# Allegro board 8880F5-0827_txbegin.brd (continued)
## Placement (name value [footprint] x y rotation side) (continued)
NOREF#630  -  []  167.7 163.2 90 top
NOREF#631  -  []  459.24 219.3 0 top
NOREF#632  -  []  351.04 249.82 0 top
NOREF#633  -  []  209.59 160.9 90 top
NOREF#634  -  []  418.12 273.37 0 top
NOREF#635  -  []  376.98 257.11 0 top
NOREF#636  -  []  410.27 257.37 0 top
NOREF#637  -  []  331.94 265.86 90 top
NOREF#638  -  []  319.15 296.86 0 top
NOREF#639  -  []  395.2 297.12 0 top
NOREF#640  -  []  333.72 205.86 90 top
NOREF#641  -  []  210.86 242.18 90 top
NOREF#642  -  []  175.7 259.8 90 top
NOREF#643  -  []  339.33 265.56 90 top
NOREF#644  -  []  167.7 151.68 90 top
NOREF#645  -  []  420.37 255.47 90 top
NOREF#646  -  []  343.31 224.72 0 top
NOREF#647  -  []  410.52 289.12 0 top
NOREF#648  -  []  254.61 205.86 90 top
NOREF#649  -  []  329.6 163.52 90 top
NOREF#650  -  []  396.28 146.93 90 top
NOREF#651  -  []  409.17 249.11 0 top
NOREF#652  -  []  256.45 164.72 0 top
NOREF#653  -  []  254.29 265.55 0 top
NOREF#654  -  []  396.55 273.11 0 top
NOREF#655  -  []  225.83 264.31 0 top
NOREF#656  -  []  392.24 199.18 90 top
NOREF#657  -  []  182.57 212.85 0 top
NOREF#658  -  []  124.61 178.64 0 top
NOREF#659  -  []  192.47 177.76 90 top
NOREF#660  -  []  248 286.96 0 top
NOREF#661  -  []  106.11 234.24 0 top
NOREF#662  -  []  106.76 217.73 90 top
NOREF#663  -  []  177.33 242.18 90 top
NOREF#664  -  []  175.7 243.88 90 top
NOREF#665  -  []  408.02 287.22 0 top
NOREF#666  -  []  379 288.57 90 top
NOREF#667  -  []  221.56 182.89 0 top
NOREF#668  -  []  470.71 227 90 top
NOREF#669  -  []  199.59 230.19 90 top
NOREF#670  -  []  303.15 211.32 90 top
NOREF#671  -  []  177.33 228.47 90 top
NOREF#672  -  []  167.7 241.43 0 top
NOREF#673  -  []  393.19 239.21 90 top
NOREF#674  -  []  310.43 188.88 90 top
NOREF#675  -  []  296.96 240.71 0 top
NOREF#676  -  []  251.86 192.43 90 top
NOREF#677  -  []  329.85 164.74 0 top
NOREF#678  -  []  304.65 271.67 0 top
NOREF#679  -  []  390.53 154.88 0 top
NOREF#680  -  []  194.09 255.9 90 top
NOREF#681  -  []  337.09 164.74 90 top
NOREF#682  -  []  467.51 230.2 0 top
NOREF#683  -  []  409.43 139.89 0 top
NOREF#684  -  []  184.47 151.68 90 top
NOREF#685  -  []  229.51 253.69 0 top
NOREF#686  -  []  118.96 179.19 0 top
NOREF#687  -  []  271.34 245.18 0 top
NOREF#688  -  []  463.61 214.96 0 top
NOREF#689  -  []  412.62 297.12 0 top
NOREF#690  -  []  334.81 296.86 0 top
NOREF#691  -  []  411.09 146.88 90 top
NOREF#692  -  []  272.24 189.18 90 top
NOREF#693  -  []  184.47 244.98 90 top
NOREF#694  -  []  230.43 246.34 90 top
NOREF#695  -  []  293.66 272.15 90 top
NOREF#696  -  []  387.08 171.64 0 top
NOREF#697  -  []  390.34 192.28 90 top
NOREF#698  -  []  398.53 144.98 90 top
NOREF#699  -  []  378.33 217.11 0 top
NOREF#700  -  []  257.09 223.52 90 top
NOREF#701  -  []  352.24 249.18 90 top
NOREF#702  -  []  192.47 259.8 90 top
NOREF#703  -  []  475.04 239.09 0 top
NOREF#704  -  []  310.43 186.34 0 top
NOREF#705  -  []  93.76 273.87 90 top
NOREF#706  -  []  332.51 264.35 90 top
NOREF#707  -  []  108.01 222.33 0 top
NOREF#708  -  []  251.38 224.74 90 top
NOREF#709  -  []  192.57 201.79 90 top
NOREF#710  -  []  177.33 214.75 90 top
NOREF#711  -  []  251.94 264.65 90 top
NOREF#712  -  []  392.47 224.3 90 top
NOREF#713  -  []  215.96 237.06 0 top
NOREF#714  -  []  252.51 205.56 0 top
NOREF#715  -  []  257.09 164.74 90 top
NOREF#716  -  []  118.45 231.77 0 top
NOREF#717  -  []  406.19 171.64 0 top
NOREF#718  -  []  230.43 254.01 0 top
NOREF#719  -  []  253.4 265.55 0 top
NOREF#720  -  []  373.73 207.21 0 top
NOREF#721  -  []  229.21 247.61 0 top
NOREF#722  -  []  262.68 164.74 90 top
NOREF#723  -  []  399.07 208.81 90 top
NOREF#724  -  []  167.7 227.72 0 top
NOREF#725  -  []  272.24 249.18 90 top
NOREF#726  -  []  262.04 224.74 0 top
NOREF#727  -  []  419.73 131.89 90 top
NOREF#728  -  []  395.2 233.11 0 top
NOREF#729  -  []  368.03 249.11 0 top
NOREF#730  -  []  397.8 179.7 90 top
NOREF#731  -  []  331.94 205.86 90 top
NOREF#732  -  []  93.76 287.84 90 top
NOREF#733  -  []  182.57 158.5 0 top
NOREF#734  -  []  390.69 241.11 0 top
NOREF#735  -  []  408.88 133.16 90 top
NOREF#736  -  []  319.33 243.63 90 top
NOREF#737  -  []  327.25 204.35 90 top
NOREF#738  -  []  165.8 185.42 0 top
NOREF#739  -  []  384.17 163.39 90 top
NOREF#740  -  []  408.37 258.64 90 top
NOREF#741  -  []  453.88 239.34 0 top
NOREF#742  -  []  411.26 209.66 90 top
NOREF#743  -  []  284.36 280.1 0 top
NOREF#744  -  []  250.74 224.74 0 top
NOREF#745  -  []  381.2 290.39 90 top
NOREF#746  -  []  462.06 291.28 90 top
NOREF#747  -  []  397.38 146.88 90 top
NOREF#748  -  []  410.52 273.37 0 top
NOREF#749  -  []  390.53 180.15 0 top
NOREF#750  -  []  253.53 140.14 0 top
NOREF#751  -  []  222.11 252.14 0 top
NOREF#752  -  []  201.49 163.2 90 top
NOREF#753  -  []  449.99 174.46 0 top
NOREF#754  -  []  192.47 182.06 90 top
NOREF#755  -  []  166.06 230.19 90 top
NOREF#756  -  []  317.98 163.82 90 top
NOREF#757  -  []  315.7 296.86 0 top
NOREF#758  -  []  175.7 137.37 90 top
NOREF#759  -  []  405.93 256.92 90 top
NOREF#760  -  []  338.2 246.67 0 top
NOREF#761  -  []  118.33 286.94 90 top
NOREF#762  -  []  310.73 193.69 0 top
NOREF#763  -  []  352.24 184.86 90 top
NOREF#764  -  []  127.99 214.79 0 top
NOREF#765  -  []  342.68 163.52 90 top
NOREF#766  -  []  127.55 191.95 90 top
NOREF#767  -  []  261.63 195.43 90 top
NOREF#768  -  []  478.57 257.36 90 top
NOREF#769  -  []  272.55 185.18 0 top
NOREF#770  -  []  199.33 257.62 90 top
NOREF#771  -  []  392.73 154.88 0 top
NOREF#772  -  []  511.59 293.82 90 top
NOREF#773  -  []  424.98 146.43 90 top
NOREF#774  -  []  396.55 289.12 0 top
NOREF#775  -  []  283.21 282 0 top
NOREF#776  -  []  384.59 179.6 90 top
NOREF#777  -  []  271.34 241.37 0 top
NOREF#778  -  []  310.43 248.88 90 top
NOREF#779  -  []  263.71 288.86 0 top
NOREF#780  -  []  343.98 288.86 0 top
NOREF#781  -  []  392.66 192.88 90 top
NOREF#782  -  []  263.95 163.52 90 top
NOREF#783  -  []  317.66 164.72 0 top
NOREF#784  -  []  394.05 287.22 0 top
NOREF#785  -  []  413.71 148.15 90 top
NOREF#786  -  []  331.38 164.74 90 top
NOREF#787  -  []  471.21 168.33 90 top
NOREF#788  -  []  229.05 271.67 0 top
NOREF#789  -  []  199.33 199.39 90 top
NOREF#790  -  []  328.33 247.93 0 top
NOREF#791  -  []  351.34 182.64 0 top
NOREF#792  -  []  121.9 231.22 0 top
NOREF#793  -  []  339.65 264.65 90 top
NOREF#794  -  []  352.93 288.86 90 top
NOREF#795  -  []  247.25 204.35 90 top
NOREF#796  -  []  459.28 236.14 90 top
NOREF#797  -  []  229.21 183.09 0 top
NOREF#798  -  []  381.2 274.38 90 top
NOREF#799  -  []  318.3 163.52 90 top
NOREF#800  -  []  351.04 244.23 0 top
NOREF#801  -  []  165.8 131.57 0 top
NOREF#802  -  []  184.47 165.4 90 top
NOREF#803  -  []  166.06 203.01 90 top
NOREF#804  -  []  411.26 179.6 90 top
NOREF#805  -  []  375.22 163.39 0 top
NOREF#806  -  []  167.7 132.72 0 top
NOREF#807  -  []  310.83 224.63 0 top
NOREF#808  -  []  302.11 180.71 0 top
NOREF#809  -  []  177.33 187.32 90 top
NOREF#810  -  []  377.23 289.12 0 top
NOREF#811  -  []  339.89 288.41 90 top
NOREF#812  -  []  201.23 247.18 90 top
NOREF#813  -  []  230.73 187.93 0 top
NOREF#814  -  []  283.25 147.43 90 top
NOREF#815  -  []  266.49 143.19 0 top
NOREF#816  -  []  194.09 242.18 90 top
NOREF#817  -  []  403.99 163.64 0 top
NOREF#818  -  []  451.68 239.34 0 top
NOREF#819  -  []  412.88 139.89 0 top
NOREF#820  -  []  472.86 166.93 90 top
NOREF#821  -  []  451.68 171.53 0 top
NOREF#822  -  []  107.02 171.57 0 top
NOREF#823  -  []  192.57 160.9 90 top
NOREF#824  -  []  259.33 205.55 0 top
NOREF#825  -  []  322.23 173.13 0 top
NOREF#826  -  []  248.33 187.93 0 top
NOREF#827  -  []  251.22 253.63 0 top
NOREF#828  -  []  221.56 171.46 0 top
NOREF#829  -  []  290.11 280.1 0 top
NOREF#830  -  []  263.14 282 0 top
NOREF#831  -  []  199.59 216.47 90 top
NOREF#832  -  []  115.87 175.44 90 top
NOREF#833  -  []  318.45 197.01 0 top
NOREF#834  -  []  263.63 165.04 90 top
NOREF#835  -  []  201.66 213.45 90 top
NOREF#836  -  []  410.84 180.15 90 top
NOREF#837  -  []  381.2 258.38 90 top
NOREF#838  -  []  461.96 166.93 0 top
NOREF#839  -  []  495.08 259.9 90 top
NOREF#840  -  []  451.68 195.91 0 top
NOREF#841  -  []  192.47 246.08 90 top
NOREF#842  -  []  371.48 241.11 0 top
NOREF#843  -  []  184.47 159.65 0 top
NOREF#844  -  []  267.84 280.1 0 top
NOREF#845  -  []  167.7 136.27 90 top
NOREF#846  -  []  413.51 207.71 90 top
NOREF#847  -  []  481.96 273.87 90 top
NOREF#848  -  []  459.28 227 0 top
NOREF#849  -  []  385.32 178.25 90 top
NOREF#850  -  []  273.09 288.31 90 top
NOREF#851  -  []  317.83 257.63 0 top
NOREF#852  -  []  101.82 290.38 90 top
NOREF#853  -  []  397.38 163.64 90 top
NOREF#854  -  []  373.87 171.39 0 top
NOREF#855  -  []  182.57 240.28 0 top
NOREF#856  -  []  367.73 290.39 90 top
NOREF#857  -  []  333.4 265.56 90 top
NOREF#858  -  []  184.47 186.57 90 top
NOREF#859  -  []  305.83 204.31 0 top
NOREF#860  -  []  453.88 230.2 0 top
NOREF#861  -  []  367.13 271.21 0 top
NOREF#862  -  []  167.7 186.57 0 top
NOREF#863  -  []  405.93 272.56 90 top
NOREF#864  -  []  367.73 274.38 90 top
NOREF#865  -  []  371.48 257.11 0 top
NOREF#866  -  []  404.4 257.42 90 top
NOREF#867  -  []  371.48 249.11 0 top
NOREF#868  -  []  201.23 200.54 90 top
NOREF#869  -  []  192.47 175.56 90 top
NOREF#870  -  []  396.28 180.2 90 top
NOREF#871  -  []  253.72 264.65 90 top
NOREF#872  -  []  334.29 265.55 0 top
NOREF#873  -  []  119.95 187.53 0 top
NOREF#874  -  []  272.25 242.32 90 top
NOREF#875  -  []  405.93 240.56 90 top
NOREF#876  -  []  265.39 135.19 0 top
NOREF#877  -  []  340.83 234.63 90 top
NOREF#878  -  []  155.57 289.11 90 top
NOREF#879  -  []  331.22 193.63 0 top
NOREF#880  -  []  396.55 225.11 0 top
NOREF#881  -  []  352.24 183.59 90 top
NOREF#882  -  []  247.57 204.65 90 top
NOREF#883  -  []  251.62 204.35 90 top
NOREF#884  -  []  175.7 205.19 90 top
NOREF#885  -  []  175.8 174.36 90 top
NOREF#886  -  []  354.37 130.67 90 top
NOREF#887  -  []  175.7 189.02 90 top
NOREF#888  -  []  192.57 174.36 90 top
NOREF#889  -  []  251.62 205.56 90 top
NOREF#890  -  []  392.47 272.66 90 top
NOREF#891  -  []  330.51 288.86 0 top
NOREF#892  -  []  309.05 271.67 0 top
NOREF#893  -  []  217.41 273.24 0 top
NOREF#894  -  []  317.57 209.63 90 top
NOREF#895  -  []  343.98 288.86 0 top
NOREF#896  -  []  385.19 281.11 0 top
NOREF#897  -  []  310.41 187.61 90 top
NOREF#898  -  []  175.7 264.1 90 top
NOREF#899  -  []  471.21 211.76 90 top
NOREF#900  -  []  209.23 195.52 90 top
NOREF#901  -  []  184.47 260.9 90 top
NOREF#902  -  []  167.7 219.75 90 top
NOREF#903  -  []  303.56 173.86 90 top
NOREF#904  -  []  528.1 276.41 90 top
NOREF#905  -  []  463.61 179.15 0 top
NOREF#906  -  []  251.22 193.63 0 top
NOREF#907  -  []  301.56 250.49 0 top
NOREF#908  -  []  192.47 148.38 90 top
NOREF#909  -  []  423.61 182.42 90 top
NOREF#910  -  []  229.21 243.09 0 top
NOREF#911  -  []  200.98 260.9 90 top
NOREF#912  -  []  322.23 233.13 90 top
NOREF#913  -  []  450.03 182.17 0 top
NOREF#914  -  []  230.43 189.52 0 top
NOREF#915  -  []  229.51 193.69 0 top
NOREF#916  -  []  310.73 246.66 0 top
NOREF#917  -  []  460.93 234.74 90 top
NOREF#918  -  []  229.51 187.93 0 top
NOREF#919  -  []  419.9 288.57 90 top
NOREF#920  -  []  66.26 287.84 90 top
NOREF#921  -  []  310.43 243.09 90 top
NOREF#922  -  []  311.15 159.63 90 top
NOREF#923  -  []  118.74 215.34 0 top
NOREF#924  -  []  351.58 288.86 0 top
NOREF#925  -  []  390.94 257.16 90 top
NOREF#926  -  []  400.54 171.64 0 top
NOREF#927  -  []  377.48 289.17 90 top
NOREF#928  -  []  122.41 178.64 0 top
NOREF#929  -  []  381.74 232.85 0 top
NOREF#930  -  []  450.03 182.17 0 top
NOREF#931  -  []  405.93 240.66 90 top
NOREF#932  -  []  301.95 290.13 90 top
NOREF#933  -  []  293.31 272.1 0 top
NOREF#934  -  []  383.07 180.2 90 top
NOREF#935  -  []  240.94 151.63 90 top
NOREF#936  -  []  353.35 288.41 90 top
NOREF#937  -  []  107.02 166.42 90 top
NOREF#938  -  []  318.3 164.74 90 top
NOREF#939  -  []  201.23 217.55 90 top
NOREF#940  -  []  332.83 264.65 90 top
NOREF#941  -  []  192.47 162.1 90 top
NOREF#942  -  []  383.09 273.11 0 top
NOREF#943  -  []  387.39 232.85 0 top
NOREF#944  -  []  230.41 246.34 90 top
NOREF#945  -  []  279.7 155.38 0 top
NOREF#946  -  []  348.28 296.86 0 top
NOREF#947  -  []  376.23 209.11 0 top
NOREF#948  -  []  390.69 224.85 0 top
NOREF#949  -  []  316.43 132.91 90 top
NOREF#950  -  []  209.23 243.88 90 top
NOREF#951  -  []  259.65 204.65 90 top
NOREF#952  -  []  298.16 248.49 0 top
NOREF#953  -  []  242.23 233.13 90 top
NOREF#954  -  []  230.41 248.88 90 top
NOREF#955  -  []  374.08 195.9 90 top
NOREF#956  -  []  310.73 186.66 0 top
NOREF#957  -  []  222.11 192.14 0 top
NOREF#958  -  []  388.43 163.64 0 top
NOREF#959  -  []  254.29 204.35 90 top
NOREF#960  -  []  312.46 131.69 90 top
NOREF#961  -  []  451.68 186.77 0 top
NOREF#962  -  []  262.68 224.74 90 top
NOREF#963  -  []  412.62 281.37 0 top
NOREF#964  -  []  450.03 166.93 0 top
NOREF#965  -  []  270.04 280.1 0 top
NOREF#966  -  []  473.79 234.49 90 top
NOREF#967  -  []  167.7 138.47 90 top
NOREF#968  -  []  319.33 236.03 90 top
NOREF#969  -  []  404.15 241.11 0 top
NOREF#970  -  []  209.49 150.83 90 top
NOREF#971  -  []  451.64 222.5 0 top
NOREF#972  -  []  305.94 288.86 0 top
NOREF#973  -  []  295.96 248.49 0 top
NOREF#974  -  []  381.74 297.12 0 top
NOREF#975  -  []  460.89 217.9 90 top
NOREF#976  -  []  256.45 164.74 0 top
NOREF#977  -  []  201.49 149.73 90 top
NOREF#978  -  []  385.93 178.25 0 top
NOREF#979  -  []  343.95 224.74 90 top
NOREF#980  -  []  395.07 129.99 0 top
NOREF#981  -  []  257.9 186.35 90 top
NOREF#982  -  []  209.23 218.65 90 top
NOREF#983  -  []  390.59 195.9 90 top
NOREF#984  -  []  330.18 242.88 0 top
NOREF#985  -  []  108.01 214.71 0 top
NOREF#986  -  []  403.41 209.61 0 top
NOREF#987  -  []  175.8 187.82 90 top
NOREF#988  -  []  411.99 161.74 90 top
NOREF#989  -  []  201.23 233.47 90 top
NOREF#990  -  []  395.67 133.16 90 top
NOREF#991  -  []  226.83 209.63 90 top
NOREF#992  -  []  223.56 185.29 90 top
NOREF#993  -  []  254.29 205.55 0 top
NOREF#994  -  []  450.03 210.36 0 top
NOREF#995  -  []  234.33 228.13 90 top
NOREF#996  -  []  393.74 131.44 90 top
NOREF#997  -  []  459.28 211.76 90 top
NOREF#998  -  []  387.8 210.63 90 top
NOREF#999  -  []  201.66 186.02 90 top
NOREF#1000  -  []  200.98 255.15 0 top
NOREF#1001  -  []  394.05 223.21 0 top
NOREF#1002  -  []  271.34 182.64 0 top
NOREF#1003  -  []  124.64 171.1 0 top
NOREF#1004  -  []  184.89 199.99 90 top
NOREF#1005  -  []  400.85 265.37 0 top
NOREF#1006  -  []  301.56 231.46 0 top
NOREF#1007  -  []  312.42 146.05 0 top
NOREF#1008  -  []  209.33 187.82 90 top
NOREF#1009  -  []  379.48 255.21 90 top
NOREF#1010  -  []  379.01 272.66 90 top
NOREF#1011  -  []  230.43 253.37 0 top
NOREF#1012  -  []  250.74 164.72 0 top
NOREF#1013  -  []  310.43 189.52 0 top
NOREF#1014  -  []  327.27 131.64 90 top
NOREF#1015  -  []  331.62 205.56 0 top
NOREF#1016  -  []  339.46 288.86 90 top
NOREF#1017  -  []  352.25 181.69 0 top
NOREF#1018  -  []  166.06 257.62 90 top
NOREF#1019  -  []  127.84 167.9 90 top
NOREF#1020  -  []  309.21 188.88 0 top
NOREF#1021  -  []  333.72 264.65 90 top
NOREF#1022  -  []  463.61 214.96 0 top
NOREF#1023  -  []  250.74 164.74 0 top
NOREF#1024  -  []  262.04 164.74 0 top
NOREF#1025  -  []  328.96 164.72 0 top
NOREF#1026  -  []  377.32 180.15 0 top
NOREF#1027  -  []  373.93 281.11 0 top
NOREF#1028  -  []  310.43 246.34 90 top
NOREF#1029  -  []  385.36 194.18 90 top
NOREF#1030  -  []  271.04 245.5 0 top
NOREF#1031  -  []  518.38 276.41 90 top
NOREF#1032  -  []  415.1 163.64 0 top
NOREF#1033  -  []  249.28 225.04 90 top
NOREF#1034  -  []  199.08 254 90 top
NOREF#1035  -  []  295.96 177.06 0 top
NOREF#1036  -  []  184.47 227.72 90 top
NOREF#1037  -  []  342.08 290.13 90 top
NOREF#1038  -  []  256.77 223.82 90 top
NOREF#1039  -  []  333.33 241.33 90 top
NOREF#1040  -  []  252.83 205.86 90 top
NOREF#1041  -  []  115.61 191.95 0 top
NOREF#1042  -  []  175.7 222.95 90 top
NOREF#1043  -  []  259.33 205.55 0 top
NOREF#1044  -  []  209.33 242.68 90 top
NOREF#1045  -  []  309.12 154.05 0 top
NOREF#1046  -  []  448.94 276.41 90 top
NOREF#1047  -  []  240.5 288.61 0 top
NOREF#1048  -  []  352.25 183.59 90 top
NOREF#1049  -  []  470.79 128.27 0 top
NOREF#1050  -  []  229.21 187.61 0 top
NOREF#1051  -  []  322.23 233.13 0 top
NOREF#1052  -  []  237.66 224.74 0 top
NOREF#1053  -  []  392.24 193.43 90 top
NOREF#1054  -  []  230.43 194.01 0 top
NOREF#1055  -  []  387.39 281.11 0 top
NOREF#1056  -  []  344.37 128.27 0 top
NOREF#1057  -  []  182.57 254 90 top
NOREF#1058  -  []  115.36 235.64 90 top
NOREF#1059  -  []  333.4 205.56 90 top
NOREF#1060  -  []  272.24 182.32 90 top
NOREF#1061  -  []  230.73 253.69 0 top
NOREF#1062  -  []  248.96 164.74 0 top
NOREF#1063  -  []  397.8 179.6 90 top
NOREF#1064  -  []  461.86 182.17 90 top
NOREF#1065  -  []  259.33 265.56 90 top
NOREF#1066  -  []  298.24 288.86 0 top
NOREF#1067  -  []  175.8 256.4 90 top
NOREF#1068  -  []  346.08 288.86 0 top
NOREF#1069  -  []  394.05 255.47 0 top
NOREF#1070  -  []  229.21 248.88 0 top
NOREF#1071  -  []  118.74 210.19 90 top
NOREF#1072  -  []  331.62 265.56 0 top
NOREF#1073  -  []  310.73 193.69 0 top
NOREF#1074  -  []  107.02 171.57 0 top
NOREF#1075  -  []  310.43 253.37 90 top
NOREF#1076  -  []  122.19 214.79 0 top
NOREF#1077  -  []  333.72 265.86 90 top
NOREF#1078  -  []  407.67 129.99 90 top
NOREF#1079  -  []  168.13 254.6 90 top
NOREF#1080  -  []  237.66 164.74 0 top
NOREF#1081  -  []  352.24 241.05 90 top
NOREF#1082  -  []  251.94 265.86 90 top
NOREF#1083  -  []  404.24 146.88 0 top
NOREF#1084  -  []  395.2 249.11 0 top
NOREF#1085  -  []  303.56 233.86 90 top
NOREF#1086  -  []  274.37 147.93 90 top
NOREF#1087  -  []  397.8 163.09 90 top
NOREF#1088  -  []  419.9 240.56 90 top
NOREF#1089  -  []  184.47 178.86 90 top
NOREF#1090  -  []  252.83 204.65 90 top
NOREF#1091  -  []  388.43 163.64 0 top
NOREF#1092  -  []  259.33 205.56 0 top
NOREF#1093  -  []  471.21 219.38 0 top
NOREF#1094  -  []  390.94 289.17 90 top
NOREF#1095  -  []  271.56 288.91 90 top
NOREF#1096  -  []  351.34 249.5 0 top
NOREF#1097  -  []  230.43 248.88 0 top
NOREF#1098  -  []  382.82 163.39 0 top
NOREF#1099  -  []  310.43 254.01 0 top
NOREF#1100  -  []  258.2 186.67 0 top
NOREF#1101  -  []  318.32 131.64 0 top
NOREF#1102  -  []  332.83 205.86 90 top
NOREF#1103  -  []  124.39 214.79 0 top
NOREF#1104  -  []  221.87 295.91 0 top
NOREF#1105  -  []  84.04 287.84 90 top
NOREF#1106  -  []  471.21 219.38 90 top
NOREF#1107  -  []  295.96 188.49 0 top
NOREF#1108  -  []  419.22 257.37 90 top
NOREF#1109  -  []  224.65 271.67 0 top
NOREF#1110  -  []  413.71 178.82 90 top
NOREF#1111  -  []  310.43 187.61 90 top
NOREF#1112  -  []  251.94 205.86 90 top
NOREF#1113  -  []  309.05 211.67 0 top
NOREF#1114  -  []  346.27 130.77 90 top
NOREF#1115  -  []  306.27 156.63 90 top
NOREF#1116  -  []  192.57 256.4 90 top
NOREF#1117  -  []  167.7 178.86 90 top
NOREF#1118  -  []  201.49 159.65 90 top
NOREF#1119  -  []  310.43 243.09 0 top
NOREF#1120  -  []  407.77 255.47 0 top
NOREF#1121  -  []  387.08 188.15 0 top
NOREF#1122  -  []  406.65 223.21 90 top
NOREF#1123  -  []  209.23 230.17 90 top
NOREF#1124  -  []  167.7 159.65 0 top
NOREF#1125  -  []  201.23 206.29 90 top
NOREF#1126  -  []  120.24 171.1 0 top
NOREF#1127  -  []  377.32 163.39 0 top
NOREF#1128  -  []  201.23 242.78 90 top
NOREF#1129  -  []  304.82 146.05 0 top
NOREF#1130  -  []  319.15 288.86 0 top
NOREF#1131  -  []  235.85 296.61 0 top
NOREF#1132  -  []  234.7 298.51 0 top
NOREF#1133  -  []  371.73 297.12 0 top
NOREF#1134  -  []  192.57 215.25 90 top
NOREF#1135  -  []  250.5 288.86 0 top
NOREF#1136  -  []  402.06 217.61 0 top
NOREF#1137  -  []  201.23 206.29 90 top
NOREF#1138  -  []  410.52 289.12 0 top
NOREF#1139  -  []  485.36 259.9 90 top
NOREF#1140  -  []  318.32 131.64 0 top
NOREF#1141  -  []  177.33 160.4 90 top
NOREF#1142  -  []  165.8 185.42 90 top
NOREF#1143  -  []  167.7 206.29 90 top
NOREF#1144  -  []  371.73 281.11 0 top
NOREF#1145  -  []  295.96 237.06 0 top
NOREF#1146  -  []  182.57 240.28 90 top
NOREF#1147  -  []  385.19 265.11 0 top
NOREF#1148  -  []  166.06 189.04 90 top
NOREF#1149  -  []  166.06 216.47 90 top
NOREF#1150  -  []  331.05 205.86 90 top
NOREF#1151  -  []  453.84 222.5 0 top
NOREF#1152  -  []  250.17 163.82 90 top
NOREF#1153  -  []  201.23 233.47 90 top
NOREF#1154  -  []  262.04 224.72 0 top
NOREF#1155  -  []  389.7 209.36 0 top
NOREF#1156  -  []  482.64 235.89 90 top
NOREF#1157  -  []  451.64 179.06 0 top
NOREF#1158  -  []  330.17 223.82 90 top
NOREF#1159  -  []  220.36 177.06 0 top
NOREF#1160  -  []  453.88 171.53 0 top
NOREF#1161  -  []  201.49 151.93 90 top
NOREF#1162  -  []  262.36 163.82 90 top
NOREF#1163  -  []  332.83 204.65 90 top
NOREF#1164  -  []  459.28 211.76 0 top
NOREF#1165  -  []  83.77 247.51 90 top
NOREF#1166  -  []  384.36 131.89 0 top
NOREF#1167  -  []  320.94 211.63 90 top
NOREF#1168  -  []  460.89 174.46 90 top
NOREF#1169  -  []  272.55 243.91 0 top
NOREF#1170  -  []  459.28 168.33 0 top
NOREF#1171  -  []  473.7 219.66 90 top
NOREF#1172  -  []  286.81 272.1 0 top
NOREF#1173  -  []  192.47 205.19 90 top
NOREF#1174  -  []  328.96 164.74 0 top
NOREF#1175  -  []  115.61 219.13 90 top
NOREF#1176  -  []  317.66 224.74 0 top
NOREF#1177  -  []  473.6 162.62 90 top
NOREF#1178  -  []  331.38 163.52 90 top
NOREF#1179  -  []  331.62 205.55 0 top
NOREF#1180  -  []  333.4 204.35 90 top
NOREF#1181  -  []  175.7 195.52 90 top
NOREF#1182  -  []  259.65 204.65 90 top
NOREF#1183  -  []  230.73 186.66 0 top
NOREF#1184  -  []  297.71 276.09 0 top
NOREF#1185  -  []  201.23 244.98 90 top
NOREF#1186  -  []  167.7 145.93 90 top
NOREF#1187  -  []  450.03 234.74 0 top
NOREF#1188  -  []  288.14 286.96 0 top
NOREF#1189  -  []  101.82 273.87 90 top
NOREF#1190  -  []  306.85 271.67 0 top
NOREF#1191  -  []  352.55 245.18 0 top
NOREF#1192  -  []  223.56 245.29 90 top
NOREF#1193  -  []  383.73 202.38 90 top
NOREF#1194  -  []  199.59 203.01 90 top
NOREF#1195  -  []  184.47 241.43 0 top
NOREF#1196  -  []  124.35 222.33 0 top
NOREF#1197  -  []  216.96 252.14 0 top
NOREF#1198  -  []  107.02 179.19 0 top
NOREF#1199  -  []  478.57 291.28 90 top
NOREF#1200  -  []  369.38 224.6 0 top
NOREF#1201  -  []  259.59 133.29 90 top
NOREF#1202  -  []  330.17 163.82 90 top
NOREF#1203  -  []  424.05 163.64 90 top
NOREF#1204  -  []  518.38 290.38 90 top
NOREF#1205  -  []  392.47 288.57 90 top
NOREF#1206  -  []  511.59 259.9 90 top
NOREF#1207  -  []  385.19 297.12 0 top
NOREF#1208  -  []  405.93 288.67 90 top
NOREF#1209  -  []  297.41 213.24 0 top
NOREF#1210  -  []  310.41 188.88 90 top
NOREF#1211  -  []  127.7 231.22 0 top
NOREF#1212  -  []  229.21 253.37 0 top
NOREF#1213  -  []  320.42 131.64 0 top
NOREF#1214  -  []  406.65 255.47 90 top
NOREF#1215  -  []  386.53 164.91 90 top
NOREF#1216  -  []  192.47 150.58 90 top
NOREF#1217  -  []  75.98 271.33 90 top
NOREF#1218  -  []  384.36 131.89 0 top
NOREF#1219  -  []  309.21 186.34 0 top
NOREF#1220  -  []  392.47 256.66 90 top
NOREF#1221  -  []  473.7 176.22 90 top
NOREF#1222  -  []  284.79 272.65 90 top
NOREF#1223  -  []  117.01 234.24 90 top
NOREF#1224  -  []  167.7 247.18 90 top
NOREF#1225  -  []  351.04 185.5 0 top
NOREF#1226  -  []  216.96 180.71 0 top
NOREF#1227  -  []  260.29 136.46 90 top
NOREF#1228  -  []  230.43 243.09 90 top
NOREF#1229  -  []  383.09 241.11 0 top
NOREF#1230  -  []  351.04 242.96 0 top
NOREF#1231  -  []  256.73 132.14 0 top
NOREF#1232  -  []  339.33 205.56 0 top
NOREF#1233  -  []  257.09 163.52 90 top
NOREF#1234  -  []  343.31 164.72 0 top
NOREF#1235  -  []  390.53 188.15 0 top
NOREF#1236  -  []  298.13 274.06 90 top
NOREF#1237  -  []  327.57 264.65 90 top
NOREF#1238  -  []  352.55 243.91 0 top
NOREF#1239  -  []  424.98 146.33 90 top
NOREF#1240  -  []  230.73 183.41 0 top
NOREF#1241  -  []  167.7 173.11 0 top
NOREF#1242  -  []  210.6 255.9 90 top
NOREF#1243  -  []  308.14 296.86 0 top
NOREF#1244  -  []  223.15 271.32 90 top
NOREF#1245  -  []  352.25 245.5 0 top
NOREF#1246  -  []  175.7 246.08 90 top
NOREF#1247  -  []  378.33 224.6 90 top
NOREF#1248  -  []  309.21 187.61 0 top
NOREF#1249  -  []  385.19 241.11 0 top
NOREF#1250  -  []  420.15 131.44 90 top
NOREF#1251  -  []  201.66 240.88 90 top
NOREF#1252  -  []  310.73 183.41 0 top
NOREF#1253  -  []  218.16 248.49 0 top
NOREF#1254  -  []  354.27 138.37 90 top
NOREF#1255  -  []  400.91 207.71 0 top
NOREF#1256  -  []  373.68 265.11 0 top
NOREF#1257  -  []  378.33 241.11 90 top
NOREF#1258  -  []  184.47 145.93 0 top
NOREF#1259  -  []  378.58 273.11 90 top
NOREF#1260  -  []  393.19 255.21 90 top
NOREF#1261  -  []  405.5 273.11 90 top
NOREF#1262  -  []  330.51 288.86 0 top
NOREF#1263  -  []  283.21 270.2 90 top
NOREF#1264  -  []  259.33 205.56 90 top
NOREF#1265  -  []  182.82 189.04 90 top
NOREF#1266  -  []  115.61 191.95 90 top
NOREF#1267  -  []  108.01 214.71 0 top
NOREF#1268  -  []  343.2 172.26 90 top
NOREF#1269  -  []  182.82 216.47 90 top
NOREF#1270  -  []  326.23 233.13 0 top
NOREF#1271  -  []  373.68 249.11 0 top
NOREF#1272  -  []  218.13 274.06 0 top
NOREF#1273  -  []  327.89 204.35 90 top
NOREF#1274  -  []  247.57 205.86 90 top
NOREF#1275  -  []  302.11 192.14 0 top
NOREF#1276  -  []  272.24 242.32 90 top
NOREF#1277  -  []  306.27 216.63 90 top
NOREF#1278  -  []  343.31 164.74 0 top
NOREF#1279  -  []  239.33 236.03 0 top
NOREF#1280  -  []  471.21 211.76 0 top
NOREF#1281  -  []  310.73 249.2 0 top
NOREF#1282  -  []  419.9 272.92 90 top
NOREF#1283  -  []  259.97 264.35 90 top
NOREF#1284  -  []  351.34 243.91 0 top
NOREF#1285  -  []  115.87 167.82 90 top
NOREF#1286  -  []  391.8 209.36 0 top
NOREF#1287  -  []  342.36 225.04 90 top
NOREF#1288  -  []  459.28 183.57 90 top
NOREF#1289  -  []  113.08 129.54 0 top
NOREF#1290  -  []  309.51 183.41 0 top
NOREF#1291  -  []  333.4 265.55 0 top
NOREF#1292  -  []  327.57 265.86 90 top
NOREF#1293  -  []  184.47 231.27 90 top
NOREF#1294  -  []  209.49 164.3 90 top
NOREF#1295  -  []  230.83 224.63 0 top
NOREF#1296  -  []  317.66 224.72 0 top
NOREF#1297  -  []  406.95 131.44 90 top
NOREF#1298  -  []  271.04 189.82 0 top
NOREF#1299  -  []  400.79 154.88 0 top
NOREF#1300  -  []  201.23 192.32 90 top
NOREF#1301  -  []  378.75 224.05 90 top
NOREF#1302  -  []  383.09 289.12 0 top
NOREF#1303  -  []  451.68 195.91 0 top
NOREF#1304  -  []  456.08 171.53 0 top
NOREF#1305  -  []  201.49 173.11 0 top
NOREF#1306  -  []  399.64 144.98 0 top
NOREF#1307  -  []  329.85 224.74 0 top
NOREF#1308  -  []  259.88 288.31 90 top
NOREF#1309  -  []  460.93 182.17 90 top
NOREF#1310  -  []  297.83 234.63 90 top
NOREF#1311  -  []  405.5 289.12 90 top
NOREF#1312  -  []  226.85 211.67 0 top
NOREF#1313  -  []  330.17 225.04 90 top
NOREF#1314  -  []  390.34 192.28 0 top
NOREF#1315  -  []  286.55 288.41 90 top
NOREF#1316  -  []  241.6 296.61 0 top
NOREF#1317  -  []  96.33 238.84 0 top
NOREF#1318  -  []  379.48 239.21 90 top
NOREF#1319  -  []  167.7 165.4 90 top
NOREF#1320  -  []  398.65 209.36 90 top
NOREF#1321  -  []  327.25 205.56 0 top
NOREF#1322  -  []  302.11 129.74 0 top
NOREF#1323  -  []  201.49 146.18 0 top
NOREF#1324  -  []  342.36 165.04 90 top
NOREF#1325  -  []  381.74 249.11 0 top
NOREF#1326  -  []  322.62 139.64 0 top
NOREF#1327  -  []  397.38 180.15 90 top
NOREF#1328  -  []  322.23 173.13 90 top
NOREF#1329  -  []  290.64 288.86 0 top
NOREF#1330  -  []  309.21 183.09 0 top
NOREF#1331  -  []  388.35 217.36 0 top
NOREF#1332  -  []  392.04 224.85 90 top
NOREF#1333  -  []  237.98 225.04 90 top
NOREF#1334  -  []  405.93 224.56 90 top
NOREF#1335  -  []  252.43 132.14 0 top
NOREF#1336  -  []  397.57 131.89 0 top
NOREF#1337  -  []  314.33 168.13 90 top
NOREF#1338  -  []  209.59 147.43 90 top
NOREF#1339  -  []  100.98 195.15 0 top
NOREF#1340  -  []  409.74 180.2 90 top
NOREF#1341  -  []  477.24 239.09 0 top
NOREF#1342  -  []  201.21 290.01 90 top
NOREF#1343  -  []  223.56 233.86 90 top
NOREF#1344  -  []  201.23 214 0 top
NOREF#1345  -  []  98.78 195.15 0 top
NOREF#1346  -  []  103.93 235.64 0 top
NOREF#1347  -  []  118.7 195.7 0 top
NOREF#1348  -  []  375.22 180.15 0 top
NOREF#1349  -  []  298.16 237.06 0 top
NOREF#1350  -  []  414.57 265.37 0 top
NOREF#1351  -  []  392.47 224.4 90 top
NOREF#1352  -  []  414.82 297.12 0 top
NOREF#1353  -  []  398.65 225.11 0 top
NOREF#1354  -  []  115.99 130.36 90 top
NOREF#1355  -  []  216.96 192.14 0 top
NOREF#1356  -  []  351.04 241.69 0 top
NOREF#1357  -  []  412.79 209.06 90 top
NOREF#1358  -  []  300.74 286.96 90 top
NOREF#1359  -  []  306.85 211.67 0 top
NOREF#1360  -  []  379.52 188.15 0 top
NOREF#1361  -  []  310.73 249.2 0 top
NOREF#1362  -  []  290.64 288.86 0 top
NOREF#1363  -  []  453.84 179.06 0 top
NOREF#1364  -  []  108.27 171.02 0 top
NOREF#1365  -  []  317.05 288.86 0 top
NOREF#1366  -  []  313.22 288.41 90 top
NOREF#1367  -  []  116.27 178.64 0 top
NOREF#1368  -  []  398.65 297.12 0 top
NOREF#1369  -  []  468.85 257.36 90 top
NOREF#1370  -  []  352.25 242.32 90 top
NOREF#1371  -  []  175.7 168.6 90 top
NOREF#1372  -  []  215.96 177.06 0 top
NOREF#1373  -  []  465.45 276.41 90 top
NOREF#1374  -  []  282.9 147.38 0 top
NOREF#1375  -  []  221.56 190.49 0 top
NOREF#1376  -  []  312.25 271.67 90 top
NOREF#1377  -  []  271.04 242.96 0 top
NOREF#1378  -  []  380.59 255.21 0 top
NOREF#1379  -  []  352.25 184.23 0 top
NOREF#1380  -  []  401.89 180.15 0 top
NOREF#1381  -  []  279.27 296.86 0 top
NOREF#1382  -  []  93.76 290.38 90 top
NOREF#1383  -  []  478.57 274.77 90 top
NOREF#1384  -  []  301.56 190.49 0 top
NOREF#1385  -  []  461.96 217.98 0 top
NOREF#1386  -  []  396.55 241.11 0 top
NOREF#1387  -  []  201.49 165.4 90 top
NOREF#1388  -  []  222.67 298 90 top
NOREF#1389  -  []  382.82 180.15 0 top
NOREF#1390  -  []  248.61 290.13 90 top
NOREF#1391  -  []  127.7 238.84 0 top
NOREF#1392  -  []  318.3 224.74 90 top
NOREF#1393  -  []  309.51 193.69 0 top
NOREF#1394  -  []  404.4 225.16 90 top
NOREF#1395  -  []  339.33 265.55 0 top
NOREF#1396  -  []  182.57 144.78 0 top
NOREF#1397  -  []  118.7 217.73 90 top
NOREF#1398  -  []  319.33 236.03 0 top
NOREF#1399  -  []  106.03 217.88 90 top
NOREF#1400  -  []  221.56 179.06 0 top
NOREF#1401  -  []  463.61 171.53 0 top
NOREF#1402  -  []  242.23 233.13 0 top
NOREF#1403  -  []  172.08 272.6 90 top
NOREF#1404  -  []  239.33 243.63 90 top
NOREF#1405  -  []  313.22 288.31 90 top
NOREF#1406  -  []  167.7 176.66 90 top
NOREF#1407  -  []  391.8 217.36 0 top
NOREF#1408  -  []  465.81 222.58 0 top
NOREF#1409  -  []  340.61 286.96 90 top
NOREF#1410  -  []  327.57 264.65 90 top
NOREF#1411  -  []  167.7 149.48 90 top
NOREF#1412  -  []  408.28 129.99 0 top
NOREF#1413  -  []  314.71 129.74 90 top
NOREF#1414  -  []  304.61 131.64 0 top
NOREF#1415  -  []  463.11 230.2 0 top
NOREF#1416  -  []  184.47 242.78 90 top
NOREF#1417  -  []  263.14 270.2 90 top
NOREF#1418  -  []  485.36 257.36 90 top
NOREF#1419  -  []  116.01 214.71 0 top
NOREF#1420  -  []  240.83 254.63 0 top
NOREF#1421  -  []  272.25 181.69 0 top
NOREF#1422  -  []  373.83 192.28 0 top
NOREF#1423  -  []  465.45 290.38 90 top
NOREF#1424  -  []  210.86 187.32 90 top
NOREF#1425  -  []  209.49 177.76 90 top
NOREF#1426  -  []  392.73 188.15 0 top
NOREF#1427  -  []  167.7 206.29 90 top
NOREF#1428  -  []  375.22 180.15 0 top
NOREF#1429  -  []  412.37 257.37 0 top
NOREF#1430  -  []  449.99 217.9 0 top
NOREF#1431  -  []  261.21 286.96 0 top
NOREF#1432  -  []  336.45 164.72 0 top
NOREF#1433  -  []  119.99 214.79 0 top
NOREF#1434  -  []  201.23 190.12 90 top
NOREF#1435  -  []  96.33 238.84 0 top
NOREF#1436  -  []  390.69 273.11 0 top
NOREF#1437  -  []  411.26 163.09 90 top
NOREF#1438  -  []  314.55 286.96 0 top
NOREF#1439  -  []  273.24 272.1 0 top
NOREF#1440  -  []  468.01 214.96 0 top
NOREF#1441  -  []  175.7 202.99 90 top
NOREF#1442  -  []  351.34 242.64 0 top
NOREF#1443  -  []  272.25 182.96 0 top
NOREF#1444  -  []  461.86 187.32 0 top
NOREF#1445  -  []  248.96 164.72 0 top
NOREF#1446  -  []  319.33 176.03 90 top
NOREF#1447  -  []  375.73 199.18 90 top
NOREF#1448  -  []  339.33 205.56 90 top
NOREF#1449  -  []  354.27 134.07 90 top
NOREF#1450  -  []  385.19 224.85 0 top
NOREF#1451  -  []  247.25 205.55 0 top
NOREF#1452  -  []  343.63 225.04 90 top
NOREF#1453  -  []  199.33 226.57 90 top
NOREF#1454  -  []  383.73 198.08 90 top
NOREF#1455  -  []  249.28 223.82 90 top
NOREF#1456  -  []  342.04 164.74 0 top
NOREF#1457  -  []  475.04 195.66 0 top
NOREF#1458  -  []  331.05 264.65 90 top
NOREF#1459  -  []  251.05 205.86 90 top
NOREF#1460  -  []  425.7 144.98 90 top
NOREF#1461  -  []  107.76 238.84 0 top
NOREF#1462  -  []  122.15 187.53 0 top
NOREF#1463  -  []  352.25 249.18 90 top
NOREF#1464  -  []  262.36 223.82 90 top
NOREF#1465  -  []  339.65 205.86 90 top
NOREF#1466  -  []  245.15 288.66 90 top
NOREF#1467  -  []  401.52 210.88 90 top
NOREF#1468  -  []  451.68 186.77 0 top
NOREF#1469  -  []  175.7 232.37 90 top
NOREF#1470  -  []  401.87 194.18 90 top
NOREF#1471  -  []  230.73 189.2 0 top
NOREF#1472  -  []  309.51 186.66 0 top
NOREF#1473  -  []  331.62 204.35 90 top
NOREF#1474  -  []  217.83 174.63 90 top
NOREF#1475  -  []  478.57 277.31 90 top
NOREF#1476  -  []  254.61 264.65 90 top
NOREF#1477  -  []  408.63 274.64 90 top
NOREF#1478  -  []  262.09 143.19 0 top
NOREF#1479  -  []  334.29 265.56 90 top
NOREF#1480  -  []  250.73 205.56 0 top
NOREF#1481  -  []  403.41 209.61 0 top
NOREF#1482  -  []  201.49 147.53 90 top
NOREF#1483  -  []  301.56 179.06 0 top
NOREF#1484  -  []  268.94 272.1 0 top
NOREF#1485  -  []  167.7 190.12 90 top
NOREF#1486  -  []  368.28 281.11 0 top
NOREF#1487  -  []  419.47 241.11 90 top
NOREF#1488  -  []  271.34 243.91 0 top
NOREF#1489  -  []  251.62 265.55 0 top
NOREF#1490  -  []  100.73 238.84 0 top
NOREF#1491  -  []  310.43 188.88 0 top
NOREF#1492  -  []  229.21 193.37 0 top
NOREF#1493  -  []  330.74 224.72 0 top
NOREF#1494  -  []  120.21 178.64 0 top
NOREF#1495  -  []  334.29 205.55 0 top
NOREF#1496  -  []  330.18 182.88 0 top
NOREF#1497  -  []  251.54 252.73 90 top
NOREF#1498  -  []  297.41 213.24 90 top
NOREF#1499  -  []  501.87 276.41 90 top
NOREF#1500  -  []  210.86 201.29 90 top
NOREF#1501  -  []  229.21 246.34 0 top
NOREF#1502  -  []  472.86 217.98 90 top
NOREF#1503  -  []  209.59 174.36 90 top
NOREF#1504  -  []  263.2 172.26 90 top
NOREF#1505  -  []  473.79 196.21 0 top
NOREF#1506  -  []  559.43 297.18 90 top
NOREF#1507  -  []  403.41 209.61 0 top
NOREF#1508  -  []  552.76 299.72 0 top
NOREF#1509  -  []  167.7 134.07 90 top
NOREF#1510  -  []  184.47 204.09 90 top
NOREF#1511  -  []  459.24 175.86 90 top
NOREF#1512  -  []  108.01 222.33 0 top
NOREF#1513  -  []  310.41 247.61 90 top
NOREF#1514  -  []  392.47 240.66 90 top
NOREF#1515  -  []  241.6 296.61 0 top
NOREF#1516  -  []  403.99 188.15 0 top
NOREF#1517  -  []  405.42 131.94 90 top
NOREF#1518  -  []  339.65 204.65 90 top
NOREF#1519  -  []  306.71 131.64 0 top
NOREF#1520  -  []  396.03 180.15 0 top
NOREF#1521  -  []  410.52 273.37 0 top
NOREF#1522  -  []  217.41 213.24 90 top
NOREF#1523  -  []  106.76 215.26 0 top
NOREF#1524  -  []  352.24 244.86 90 top
NOREF#1525  -  []  118.99 171.65 0 top
NOREF#1526  -  []  251.38 164.74 90 top
NOREF#1527  -  []  405.51 217.61 0 top
NOREF#1528  -  []  118.7 222.88 0 top
NOREF#1529  -  []  296.96 192.14 0 top
NOREF#1530  -  []  110.47 171.02 0 top
NOREF#1531  -  []  238.45 197.01 0 top
NOREF#1532  -  []  351.34 189.5 0 top
NOREF#1533  -  []  394.05 271.21 0 top
NOREF#1534  -  []  419.47 289.12 90 top
NOREF#1535  -  []  384.08 209.16 90 top
NOREF#1536  -  []  226.27 156.63 90 top
NOREF#1537  -  []  310.43 187.61 0 top
NOREF#1538  -  []  119.76 127 90 top
NOREF#1539  -  []  383.09 224.85 0 top
NOREF#1540  -  []  271.34 249.5 0 top
NOREF#1541  -  []  368.28 297.12 0 top
NOREF#1542  -  []  422.95 163.69 90 top
NOREF#1543  -  []  167.7 145.93 0 top
NOREF#1544  -  []  352.55 185.18 0 top
NOREF#1545  -  []  192.47 209.49 90 top
NOREF#1546  -  []  252.6 296.86 0 top
NOREF#1547  -  []  472.86 174.55 90 top
NOREF#1548  -  []  337.09 163.52 90 top
NOREF#1549  -  []  412.24 144.98 90 top
NOREF#1550  -  []  369.63 289.12 0 top
NOREF#1551  -  []  259.33 265.56 0 top
NOREF#1552  -  []  387.2 207.46 0 top
NOREF#1553  -  []  201.23 201.89 90 top
NOREF#1554  -  []  250.5 288.86 0 top
NOREF#1555  -  []  194.09 187.32 90 top
NOREF#1556  -  []  263.63 223.82 90 top
NOREF#1557  -  []  353.35 288.31 90 top
NOREF#1558  -  []  306.83 269.63 90 top
NOREF#1559  -  []  424.55 146.88 90 top
NOREF#1560  -  []  182.57 171.96 0 top
NOREF#1561  -  []  218.16 188.49 0 top
NOREF#1562  -  []  473.79 239.64 0 top
NOREF#1563  -  []  250.73 264.35 90 top
NOREF#1564  -  []  375.73 193.43 0 top
NOREF#1565  -  []  473.79 196.21 0 top
NOREF#1566  -  []  247.57 204.65 90 top
NOREF#1567  -  []  230.43 246.34 0 top
NOREF#1568  -  []  315.82 129.74 0 top
NOREF#1569  -  []  366.88 222.7 0 top
NOREF#1570  -  []  401.89 180.15 0 top
NOREF#1571  -  []  289.29 296.86 0 top
NOREF#1572  -  []  246.23 233.13 0 top
NOREF#1573  -  []  461.86 225.6 90 top
NOREF#1574  -  []  465.45 273.87 90 top
NOREF#1575  -  []  344.62 131.89 90 top
NOREF#1576  -  []  22.16 130.26 90 top
NOREF#1577  -  []  124.35 187.53 0 top
NOREF#1578  -  []  252.51 205.55 0 top
NOREF#1579  -  []  406.65 287.22 90 top
NOREF#1580  -  []  273.95 147.38 90 top
NOREF#1581  -  []  251.38 223.52 90 top
NOREF#1582  -  []  336.77 163.82 90 top
NOREF#1583  -  []  182.57 185.42 90 top
NOREF#1584  -  []  184.47 163.2 90 top
NOREF#1585  -  []  450.03 191.31 0 top
NOREF#1586  -  []  415.61 179.97 0 top
NOREF#1587  -  []  376.98 241.11 0 top
NOREF#1588  -  []  303.26 139.64 0 top
NOREF#1589  -  []  375.22 163.39 0 top
NOREF#1590  -  []  66.26 290.38 90 top
NOREF#1591  -  []  396.55 257.37 0 top
NOREF#1592  -  []  118.33 271.33 90 top
NOREF#1593  -  []  331.62 205.56 90 top
NOREF#1594  -  []  379 272.56 90 top
NOREF#1595  -  []  326.23 173.13 0 top
NOREF#1596  -  []  390.69 257.11 0 top
NOREF#1597  -  []  272.24 189.18 90 top
NOREF#1598  -  []  313.56 131.64 90 top
NOREF#1599  -  []  271.04 249.18 0 top
NOREF#1600  -  []  182.57 254 0 top
NOREF#1601  -  []  375.73 199.18 90 top
NOREF#1602  -  []  184.47 258.7 90 top
NOREF#1603  -  []  331.05 204.65 90 top
NOREF#1604  -  []  230.41 183.09 90 top
NOREF#1605  -  []  231.15 219.63 90 top
NOREF#1606  -  []  352.55 241.37 0 top
NOREF#1607  -  []  518.38 292.92 90 top
NOREF#1608  -  []  471.21 175.95 0 top
NOREF#1609  -  []  461.96 210.36 0 top
NOREF#1610  -  []  318.45 257.01 0 top
NOREF#1611  -  []  253.4 265.56 90 top
NOREF#1612  -  []  199.33 212.85 90 top
NOREF#1613  -  []  201.49 146.18 90 top
NOREF#1614  -  []  155.57 275.14 90 top
NOREF#1615  -  []  470.71 183.57 90 top
NOREF#1616  -  []  246.63 130.24 90 top
NOREF#1617  -  []  108.01 195.15 0 top
NOREF#1618  -  []  182.57 199.39 90 top
NOREF#1619  -  []  309.21 193.37 0 top
NOREF#1620  -  []  127.81 175.44 90 top
NOREF#1621  -  []  342.04 224.72 0 top
NOREF#1622  -  []  259.33 265.55 0 top
NOREF#1623  -  []  385.61 208.66 90 top
NOREF#1624  -  []  166.06 148.4 90 top
NOREF#1625  -  []  251.62 264.35 90 top
NOREF#1626  -  []  118.7 188.08 0 top
NOREF#1627  -  []  366.88 255.21 0 top
NOREF#1628  -  []  337.09 224.74 90 top
NOREF#1629  -  []  378.33 209.11 0 top
NOREF#1630  -  []  199.59 158.5 90 top
NOREF#1631  -  []  398.65 249.11 0 top
NOREF#1632  -  []  405.5 241.11 90 top
NOREF#1633  -  []  396.55 289.12 0 top
NOREF#1634  -  []  271.34 185.18 0 top
NOREF#1635  -  []  450.03 234.74 0 top
NOREF#1636  -  []  450.03 225.6 0 top
NOREF#1637  -  []  211.11 160.4 90 top
NOREF#1638  -  []  271.56 134.74 90 top
NOREF#1639  -  []  168.69 292.55 90 top
NOREF#1640  -  []  393.19 287.22 90 top
NOREF#1641  -  []  117.26 190.55 90 top
NOREF#1642  -  []  420.62 287.22 90 top
NOREF#1643  -  []  398.65 257.37 0 top
NOREF#1644  -  []  199.84 148.65 90 top
NOREF#1645  -  []  259.59 145.09 0 top
NOREF#1646  -  []  229.21 186.34 0 top
NOREF#1647  -  []  369.38 224.6 0 top
NOREF#1648  -  []  119.7 231.22 0 top
NOREF#1649  -  []  165.8 240.28 90 top
NOREF#1650  -  []  451.68 171.53 0 top
NOREF#1651  -  []  400.24 195.88 90 top
NOREF#1652  -  []  343.31 224.74 0 top
NOREF#1653  -  []  394.66 242.38 90 top
NOREF#1654  -  []  380.59 222.95 0 top
NOREF#1655  -  []  263.2 232.26 90 top
NOREF#1656  -  []  310.41 193.37 90 top
NOREF#1657  -  []  310.73 189.2 0 top
NOREF#1658  -  []  331.22 253.63 0 top
NOREF#1659  -  []  404.15 289.12 0 top
NOREF#1660  -  []  230.43 193.37 0 top
NOREF#1661  -  []  334.61 265.86 90 top
NOREF#1662  -  []  262.36 225.04 90 top
NOREF#1663  -  []  383.09 289.12 0 top
NOREF#1664  -  []  352.25 185.5 0 top
NOREF#1665  -  []  230.73 249.2 0 top
NOREF#1666  -  []  175.7 182.06 90 top
NOREF#1667  -  []  122.44 171.1 0 top
NOREF#1668  -  []  391.96 131.89 0 top
NOREF#1669  -  []  247.57 264.65 90 top
NOREF#1670  -  []  275.82 296.86 0 top
NOREF#1671  -  []  369.63 273.11 0 top
NOREF#1672  -  []  392.04 289.12 90 top
NOREF#1673  -  []  272.25 245.5 0 top
NOREF#1674  -  []  368.03 232.6 0 top
NOREF#1675  -  []  343.2 232.26 90 top
NOREF#1676  -  []  414.82 281.37 0 top
NOREF#1677  -  []  330.73 265.55 0 top
NOREF#1678  -  []  321.35 296.86 0 top
NOREF#1679  -  []  387.39 249.11 0 top
NOREF#1680  -  []  272.25 183.59 90 top
NOREF#1681  -  []  415.6 146.88 0 top
NOREF#1682  -  []  451.64 179.06 0 top
NOREF#1683  -  []  424.47 163.19 90 top
NOREF#1684  -  []  230.43 187.61 0 top
NOREF#1685  -  []  463.61 222.58 0 top
NOREF#1686  -  []  318.32 131.64 0 top
NOREF#1687  -  []  248.96 224.72 0 top
NOREF#1688  -  []  378.75 256.56 90 top
NOREF#1689  -  []  263.63 225.04 90 top
NOREF#1690  -  []  220.36 248.49 0 top
NOREF#1691  -  []  378.75 224.15 90 top
NOREF#1692  -  []  249.13 140.14 0 top
NOREF#1693  -  []  309.51 253.69 0 top
NOREF#1694  -  []  379.48 222.7 90 top
NOREF#1695  -  []  399.39 178.25 0 top
NOREF#1696  -  []  346.27 129.42 90 top
NOREF#1697  -  []  310.43 194.01 0 top
NOREF#1698  -  []  351.34 245.18 0 top
NOREF#1699  -  []  306.71 139.64 0 top
NOREF#1700  -  []  118.45 234.24 90 top
NOREF#1701  -  []  465.81 214.96 0 top
NOREF#1702  -  []  230.41 247.61 90 top
NOREF#1703  -  []  258.1 288.86 0 top
NOREF#1704  -  []  327.57 204.65 90 top
NOREF#1705  -  []  177.33 173.86 90 top
NOREF#1706  -  []  462.06 277.31 90 top
NOREF#1707  -  []  380.59 271.21 0 top
NOREF#1708  -  []  209.49 168.6 90 top
NOREF#1709  -  []  177.33 133.47 90 top
NOREF#1710  -  []  410.78 131.89 0 top
NOREF#1711  -  []  337.9 186.35 90 top
NOREF#1712  -  []  473.79 239.64 0 top
NOREF#1713  -  []  208.98 264.1 90 top
NOREF#1714  -  []  168.69 290.01 90 top
NOREF#1715  -  []  317.98 225.04 90 top
NOREF#1716  -  []  483.04 195.66 0 top
NOREF#1717  -  []  334.29 204.35 90 top
NOREF#1718  -  []  478.57 259.9 90 top
NOREF#1719  -  []  332.51 265.55 0 top
NOREF#1720  -  []  352.24 182.32 90 top
NOREF#1721  -  []  281.47 296.86 0 top
NOREF#1722  -  []  334.61 205.86 90 top
NOREF#1723  -  []  453.88 186.77 0 top
NOREF#1724  -  []  308.36 262.16 45 top
NOREF#1725  -  []  209.23 191.22 90 top
NOREF#1726  -  []  260.74 143.19 0 top
NOREF#1727  -  []  98.53 238.84 0 top
NOREF#1728  -  []  330.73 264.35 90 top
NOREF#1729  -  []  252.51 264.35 90 top
NOREF#1730  -  []  308.91 139.64 0 top
NOREF#1731  -  []  400.24 198.08 90 top
NOREF#1732  -  []  410.52 241.11 0 top
NOREF#1733  -  []  338.11 288.86 0 top
NOREF#1734  -  []  272.55 182.64 0 top
NOREF#1735  -  []  423.71 181.22 90 top
NOREF#1736  -  []  247.34 133.41 90 top
NOREF#1737  -  []  260.83 234.63 90 top
NOREF#1738  -  []  271.04 184.23 0 top
NOREF#1739  -  []  332.51 205.56 0 top
NOREF#1740  -  []  201.66 199.99 90 top
NOREF#1741  -  []  367.13 287.22 0 top
NOREF#1742  -  []  333.4 205.56 0 top
NOREF#1743  -  []  463.61 179.15 0 top
NOREF#1744  -  []  373.87 188.15 0 top
NOREF#1745  -  []  326.43 288.31 90 top
NOREF#1746  -  []  241.82 167.13 90 top
NOREF#1747  -  []  261.63 173.83 90 top
NOREF#1748  -  []  374.88 217.11 0 top
NOREF#1749  -  []  229.05 211.67 0 top
NOREF#1750  -  []  119.7 231.22 0 top
NOREF#1751  -  []  290.11 280.1 0 top
NOREF#1752  -  []  127.95 222.33 0 top
NOREF#1753  -  []  410.84 163.64 90 top
NOREF#1754  -  []  302.49 296.86 0 top
NOREF#1755  -  []  167.7 204.09 90 top
NOREF#1756  -  []  367.48 225.87 90 top
NOREF#1757  -  []  234.33 168.13 90 top
NOREF#1758  -  []  387.39 297.12 0 top
NOREF#1759  -  []  115.19 128.27 0 top
NOREF#1760  -  []  388.43 163.64 0 top
NOREF#1761  -  []  167.7 244.98 90 top
NOREF#1762  -  []  165.8 254 0 top
NOREF#1763  -  []  324.65 288.86 0 top
NOREF#1764  -  []  242.23 173.13 90 top
NOREF#1765  -  []  283.91 273.37 90 top
NOREF#1766  -  []  192.57 187.82 90 top
NOREF#1767  -  []  379.73 287.22 90 top
NOREF#1768  -  []  201.91 159.1 90 top
NOREF#1769  -  []  201.91 145.63 90 top
NOREF#1770  -  []  252.51 204.35 90 top
NOREF#1771  -  []  192.57 147.18 90 top
NOREF#1772  -  []  253.72 265.86 90 top
NOREF#1773  -  []  247.89 204.35 90 top
NOREF#1774  -  []  219.81 213.69 90 top
NOREF#1775  -  []  330.49 164.74 90 top
NOREF#1776  -  []  175.8 201.79 90 top
NOREF#1777  -  []  402.14 146.88 0 top
NOREF#1778  -  []  485.36 289.48 90 top
NOREF#1779  -  []  412.37 265.37 0 top
NOREF#1780  -  []  408.02 239.21 0 top
NOREF#1781  -  []  219.76 297.18 0 top
NOREF#1782  -  []  411.52 146.43 90 top
NOREF#1783  -  []  168.13 159.1 90 top
NOREF#1784  -  []  118.45 231.77 0 top
NOREF#1785  -  []  263.19 135.19 0 top
NOREF#1786  -  []  175.7 191.22 90 top
NOREF#1787  -  []  315.16 290.13 90 top
NOREF#1788  -  []  238.3 164.74 90 top
NOREF#1789  -  []  256.45 224.72 0 top
NOREF#1790  -  []  330.73 205.56 90 top
NOREF#1791  -  []  254.61 204.65 90 top
NOREF#1792  -  []  309.51 187.93 0 top
NOREF#1793  -  []  408.92 265.37 0 top
NOREF#1794  -  []  423.61 184.62 90 top
NOREF#1795  -  []  471.21 175.95 90 top
NOREF#1796  -  []  405.5 225.11 90 top
NOREF#1797  -  []  329.85 164.72 0 top
NOREF#1798  -  []  175.8 242.68 90 top
NOREF#1799  -  []  271.04 189.18 0 top
NOREF#1800  -  []  351.34 241.37 0 top
NOREF#1801  -  []  165.8 171.96 90 top
NOREF#1802  -  []  192.47 189.02 90 top
NOREF#1803  -  []  271.04 182.96 0 top
NOREF#1804  -  []  201.21 273.5 90 top
NOREF#1805  -  []  263.31 164.74 0 top
NOREF#1806  -  []  168.13 145.38 90 top
NOREF#1807  -  []  331.86 252.43 90 top
NOREF#1808  -  []  298.13 214.06 0 top
NOREF#1809  -  []  395.2 265.37 0 top
NOREF#1810  -  []  415.61 183.52 90 top
NOREF#1811  -  []  253.33 181.33 90 top
NOREF#1812  -  []  247.25 205.55 0 top
NOREF#1813  -  []  111.54 287.84 90 top
NOREF#1814  -  []  314.2 145.6 90 top
NOREF#1815  -  []  229.51 246.66 0 top
NOREF#1816  -  []  272.55 242.64 0 top
NOREF#1817  -  []  272.55 181.37 0 top
NOREF#1818  -  []  409.74 146.88 0 top
NOREF#1819  -  []  415.61 185.72 90 top
NOREF#1820  -  []  394.66 290.39 90 top
NOREF#1821  -  []  413.71 178.82 0 top
NOREF#1822  -  []  182.57 212.85 90 top
NOREF#1823  -  []  168.69 276.04 90 top
NOREF#1824  -  []  475.04 195.66 0 top
NOREF#1825  -  []  253.4 204.35 90 top
NOREF#1826  -  []  408.02 271.47 0 top
NOREF#1827  -  []  237.98 165.04 90 top
NOREF#1828  -  []  292.74 288.86 0 top
NOREF#1829  -  []  175.7 141.67 90 top
NOREF#1830  -  []  182.82 230.19 90 top
NOREF#1831  -  []  230.43 188.88 0 top
NOREF#1832  -  []  88.64 247.45 90 top
NOREF#1833  -  []  352.25 242.96 0 top
NOREF#1834  -  []  184.47 186.57 0 top
NOREF#1835  -  []  192.47 154.88 90 top
NOREF#1836  -  []  217.71 276.09 0 top
NOREF#1837  -  []  251.86 252.43 90 top
NOREF#1838  -  []  388.43 146.88 0 top
NOREF#1839  -  []  329.28 223.82 90 top
NOREF#1840  -  []  339.33 205.55 0 top
NOREF#1841  -  []  419.9 272.82 90 top
NOREF#1842  -  []  200.98 258.7 90 top
NOREF#1843  -  []  448.94 290.38 90 top
NOREF#1844  -  []  451.68 230.2 0 top
NOREF#1845  -  []  228.36 262.16 45 top
NOREF#1846  -  []  518.38 259.9 90 top
NOREF#1847  -  []  403.99 180.15 0 top
NOREF#1848  -  []  420.15 131.34 90 top
NOREF#1849  -  []  199.33 212.85 0 top
NOREF#1850  -  []  304.61 131.64 0 top
NOREF#1851  -  []  185.2 276.04 90 top
NOREF#1852  -  []  167.7 138.47 90 top
NOREF#1853  -  []  459.28 227 90 top
NOREF#1854  -  []  182.82 203.01 90 top
NOREF#1855  -  []  554.86 298.45 0 top
NOREF#1856  -  []  400.24 202.38 90 top
NOREF#1857  -  []  122.19 247.3 90 top
NOREF#1858  -  []  343.83 171.63 90 top
NOREF#1859  -  []  247.25 264.35 90 top
NOREF#1860  -  []  249.85 224.72 0 top
NOREF#1861  -  []  101.82 287.84 90 top
NOREF#1862  -  []  120.21 178.64 0 top
NOREF#1863  -  []  332.83 265.86 90 top
NOREF#1864  -  []  411.26 179.7 90 top
NOREF#1865  -  []  259.33 204.35 90 top
NOREF#1866  -  []  303.47 154.05 0 top
NOREF#1867  -  []  410.52 241.11 0 top
NOREF#1868  -  []  396.28 163.69 90 top
NOREF#1869  -  []  400.85 249.11 0 top
NOREF#1870  -  []  302.92 147.32 90 top
NOREF#1871  -  []  192.57 228.97 90 top
NOREF#1872  -  []  259.65 264.65 90 top
NOREF#1873  -  []  332.51 265.56 0 top
NOREF#1874  -  []  166.06 175.58 90 top
NOREF#1875  -  []  352.24 249.18 90 top
NOREF#1876  -  []  225.83 204.31 0 top
NOREF#1877  -  []  384.59 162.94 90 top
NOREF#1878  -  []  399.99 181.42 90 top
NOREF#1879  -  []  239.4 296.61 0 top
NOREF#1880  -  []  461.96 174.55 0 top
NOREF#1881  -  []  167.7 233.47 90 top
NOREF#1882  -  []  456.04 179.06 0 top
NOREF#1883  -  []  251.05 265.86 90 top
NOREF#1884  -  []  408.63 290.39 90 top
NOREF#1885  -  []  333.4 264.35 90 top
NOREF#1886  -  []  199.59 171.96 0 top
NOREF#1887  -  []  221.56 239.06 0 top
NOREF#1888  -  []  456.08 195.91 0 top
NOREF#1889  -  []  252.51 265.55 0 top
NOREF#1890  -  []  327.89 264.35 90 top
NOREF#1891  -  []  110.21 222.33 0 top
NOREF#1892  -  []  264.29 272.1 90 top
NOREF#1893  -  []  328.62 290.13 90 top
NOREF#1894  -  []  271.34 249.5 0 top
NOREF#1895  -  []  230.41 188.88 90 top
NOREF#1896  -  []  369.63 273.11 0 top
NOREF#1897  -  []  201.23 192.32 90 top
NOREF#1898  -  []  230.43 188.88 90 top
NOREF#1899  -  []  352.25 243.59 90 top
NOREF#1900  -  []  331.06 165.04 90 top
NOREF#1901  -  []  184.47 241.43 90 top
NOREF#1902  -  []  249.15 296.86 0 top
NOREF#1903  -  []  410.52 273.37 0 top
NOREF#1904  -  []  383.09 257.11 0 top
NOREF#1905  -  []  339.65 264.65 90 top
NOREF#1906  -  []  167.7 258.7 90 top
NOREF#1907  -  []  327.7 131.19 90 top
NOREF#1908  -  []  388.43 146.88 0 top
